# KiCad board data-center-rdimm-ddr5-tester.kicad_pcb (continued)
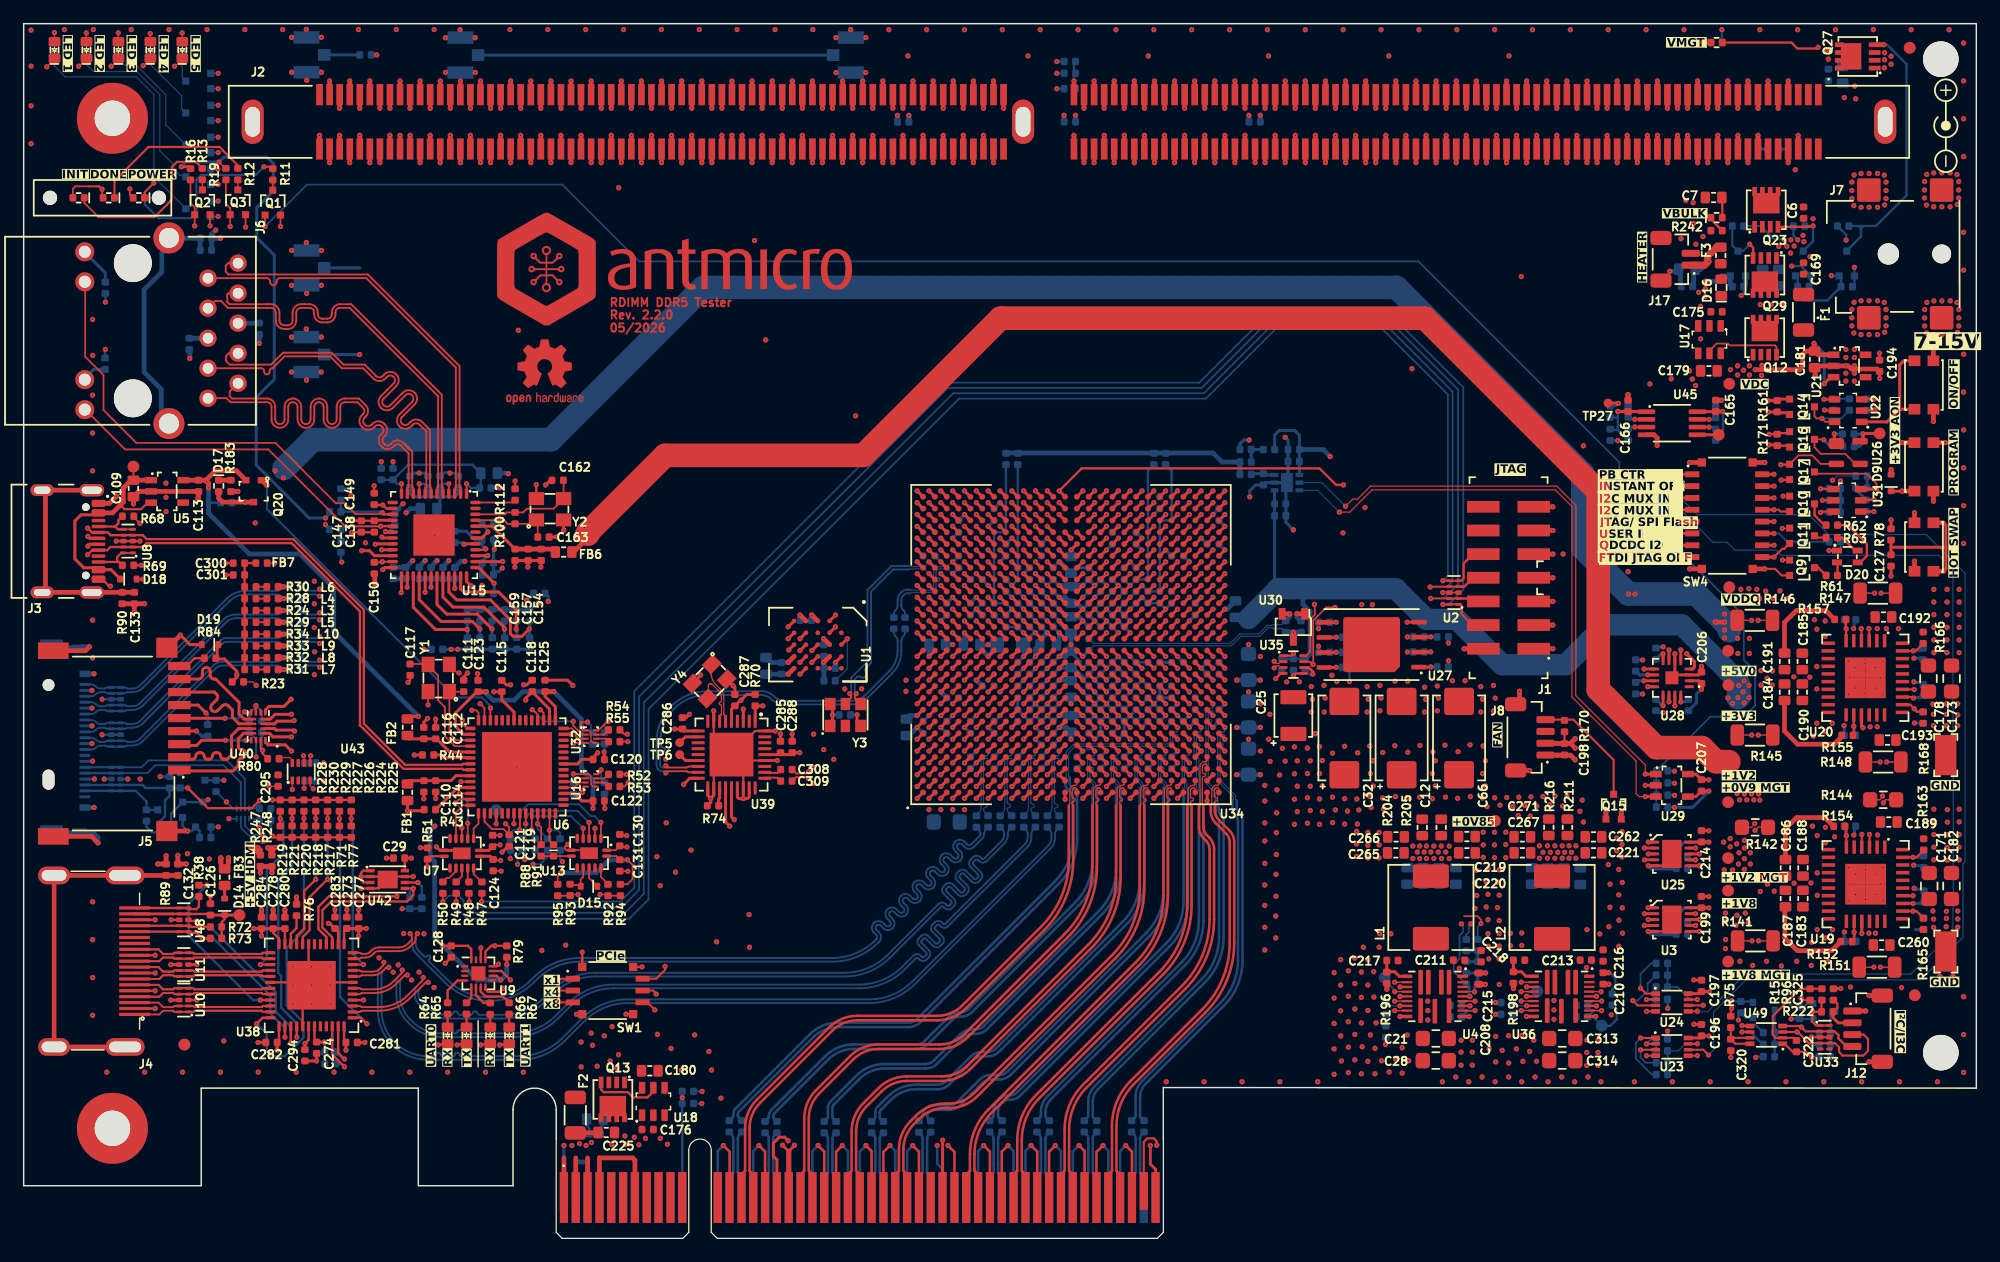
[diagram p0: board, top side]
## Routing (per net, layer and track width the routed paths; a pad name or vN(x,y) marks a point on that pad's centre or on a via; arc(x,y) is an arc through that point) (continued)
  Top w0.38: J2.108 v1(55.6,97.85) ; J2.153 v1(144.85,93.25) ; J2.199 v1(105.75,93.25) ; J2.50 v1(110,97.85) ; J2.43 v1(115.95,97.85) ; J2.284 v1(28.4,93.25) ; J2.10 v1(144,97.85) ; J2.6 v1(147.4,97.85) ; J2.106 v1(57.3,97.85) ; J2.164 v1(135.5,93.25) ; J2.26 v1(130.4,97.85) ; J2.277 v1(34.35,93.25) ; J2.186 v1(116.8,93.25) ; J2.77 v1(81.95,97.85) ; J2.136 v1(31.8,97.85) ; J2.188 v1(115.1,93.25) ; J2.28 v1(128.7,97.85) ; 63.25,96.7 v1(63.25,97.85) ; J2.266 v1(43.7,93.25) ; J2.202 v1(103.2,93.25) ; J2.214 v1(93,93.25) ; 122.75,96.7 v1(122.75,97.85) ; J2.195 v1(109.15,93.25) ; J2.237 v1(68.35,93.25) ; J2.235 v1(70.05,93.25) ; J2.230 v1(74.3,93.25) ; J2.151 v1(146.55,93.25) ; J2.162 v1(137.2,93.25) ; J2.69 v1(93.85,97.85) ; J2.226 v1(77.7,93.25) ; J2.67 v1(95.55,97.85) ; J2.92 v1(69.2,97.85) ; J2.95 v1(66.65,97.85) ; J2.63 v1(98.95,97.85) ; J2.197 v1(107.45,93.25) ; 131.25,92.1 v1(131.25,93.25) ; J2.206 v1(99.8,93.25) ; J2.173 v1(127.85,93.25) ; J2.85 v1(75.15,97.85) ; J2.228 v1(76,93.25) ; J2.166 v1(133.8,93.25) ; J2.141 v1(27.55,97.85) ; J2.270 v1(40.3,93.25) ; 71.75,92.1 v1(71.75,93.25) ; J2.143 v1(25.85,97.85) ; J2.248 v1(59,93.25) ; J2.39 v1(119.35,97.85) ; J2.112 v1(52.2,97.85) ; 97.25,96.7 v1(97.25,97.85) ; 126.15,92.1 v1(126.15,93.25) ; J2.103 v1(59.85,97.85) ; J2.8 v1(145.7,97.85) ; J2.253 v1(54.75,93.25) ; J2.110 v1(53.9,97.85) ; 139.75,96.7 v1(139.75,95.55) ; 41.15,96.7 v1(41.15,97.85) ; J2.208 v1(98.1,93.25) ; J2.182 v1(120.2,93.25) ; J2.73 v1(90.45,97.85) ; J2.216 v1(91.3,93.25) ; J2.130 v1(36.9,97.85) ; J2.244 v1(62.4,93.25) ; J2.257 v1(51.35,93.25) ; J2.132 v1(35.2,97.85) ; J2.273 v1(37.75,93.25) ; J2.160 v1(138.9,90.95) ; J2.171 v1(129.55,93.25) ; J2.52 v1(108.3,97.85) ; J2.128 v1(38.6,97.85) ; J2.139 v1(29.25,97.85) ; J2.30 v1(127,97.85) ; J2.46 v1(113.4,97.85) ; J2.184 v1(118.5,93.25) ; 134.65,96.7 v1(134.65,97.85) ; J2.219 v1(88.75,93.25) ; J2.32 v1(125.3,97.85) ; 100.65,96.7 v1(100.65,97.85) ; J2.134 v1(33.5,97.85) ; J2.81 v1(78.55,97.85) ; 143.15,92.1 v1(143.15,93.25) ; J2.286 v1(26.7,93.25) ; J2.288 v1(25,93.25) ; J2.224 v1(79.4,93.25) ; J2.158 v1(140.6,93.25) ; J2.259 v1(49.65,93.25) ; J2.177 v1(124.45,93.25) ; J2.19 v1(136.35,97.85) ; J2.246 v1(60.7,93.25) ; J2.262 v1(47.1,93.25) ; J2.57 v1(104.05,97.85) ; J2.54 v1(106.6,97.85) ; J2.222 v1(81.1,93.25) ; J2.17 v1(138.05,97.85) ; J2.123 v1(42.85,97.85) ; J2.251 v1(56.45,93.25) ; J2.281 v1(30.95,93.25) ; J2.88 v1(72.6,97.85) ; 92.15,96.7 v1(92.15,97.85) ; J2.268 v1(42,93.25) ; J2.264 v1(45.4,93.25) ; J2.97 v1(64.95,97.85) ; J2.193 v1(110.85,93.25) ; J2.59 v1(102.35,97.85) ; J2.279 v1(32.65,93.25) ; J2.121 v1(44.55,97.85) ; J2.212 v1(94.7,93.25) ; 121.05,96.7 v1(121.05,97.85) ; J2.83 v1(76.85,97.85) ; J2.114 v1(50.5,97.85) ; J2.242 v1(64.1,93.25) ; J2.204 v1(101.5,93.25) ; J2.275 v1(36.05,93.25) ; J2.117 v1(47.95,97.85) ; J2.90 v1(70.9,97.85) ; J2.210 v1(96.4,93.25) ; J2.240 v1(65.8,93.25) ; J2.180 v1(121.9,93.25) ; J2.48 v1(111.7,97.85) ; J2.191 v1(112.55,93.25) ; J2.101 v1(61.55,97.85) ; J2.24 v1(132.1,97.85) ; J2.255 v1(53.05,93.25) ; J2.41 v1(117.65,97.85) ; J2.119 v1(46.25,97.85) ; J2.13 v1(141.45,97.85) ; J2.79 v1(80.25,97.85)
  Top w0.4: v1(10.21,53.65) 8.32,53.65 ; v1(161.38,62.32) SW2.3 ; 12.11,49.94 12.19,49.94 v1(13.25,51) ; 128.53,40.86 129.54,40.86 129.55,40.85 ; v1(127.25,39.55) 126.26,39.55 126.25,39.56 126,39.56 ; v1(159.77,57.25) SW3.1 ; v1(129.22,59.85) J1.11 ; 157.05,20.52 155.94,20.52 v1(155.93,20.53) ; v1(13.74,31.65) 13.03,31.65 v1(13.03,32.38) ; J12.MP 155.94,14.92 v1(155.93,14.93) ; R76.1 v1(23.06,28.87) ; SW5.2 161.37,69.08 v1(161.37,69.07) ; v1(5.55,50.01) 5.22,49.69 2.51,49.69 ; v1(129.22,51.85) J1.3 ; J12.1 155.64,19.22 v1(155.65,19.22) ; U1.E5 v1(64.6,47.7) ; v1(129.22,57.85) J1.9 ; v1(143.46,70.86) C165.2 ; v1(12.04,32.35) 12.04,31.65 v1(11.33,31.65) ; v1(9.27,62.1) C109.1 9.72,63.15 U5.2 14.76,63.15 14.77,63.13 14.77,62.6 v1(14.72,62.55) ; C206.2 141.78,47.87 v1(141.78,48.35) ; v1(129.22,61.85) J1.13 ; v1(13.85,34.44) 12.11,34.44 ; v1(159.77,61.35) 159.77,60.5 ; SW5.1 161.37,75.22 v1(161.37,75.22) ; D9.2 v1(157.8,65) ; U1.C1 v1(66.6,52.7) ; 122.75,21.48 123.49,21.48 v1(123.51,21.46) ; U30.3 107.29,51.24 v1(107.3,51.25) ; 135,35.45 v1(135,36) ; v1(129.22,53.85) J1.5 ; 29.62,56.19 29.67,56.14 v1(29.67,55.36) ; v1(129.22,49.85) J1.1 ; v1(7.85,62.75) 7.23,62.14 6.66,62.14 ; 126,45.16 126.4,45.56 v1(126.4,46.26) ; J10.B7 51.65,6.6 51.45,6.8 48.65,6.8 J10.A4 ; SW2.4 v1(162.4,67.28) ; v1(129.22,55.85) J1.7 ; v1(140.78,65.6) 140.78,65.6 SW4.17 ; 152.94,73.76 151.49,73.76 151.38,73.65 v1(151.38,72.93) ; v1(20.1,27.78) C284.1 ; SW4.17 v1(147.12,65.6) ; v1(9.35,52.98) 9.35,53.65 ; R183.2 18.09,63.14 ; 130.07,40.85 129.55,40.85 ; 129.55,40.85 130.7,40.85 v1(131.1,40.45) ; 2.61,33.99 5.72,33.99 v1(6.28,33.44) ; v1(21.09,27.78) C278.2 ; U45.4 137.77,67.94 138.03,67.68 v1(138.03,67.05) ; v1(22.08,27.78) C280.2 ; SW4.17 v1(140.78,56.6) ; v1(147.12,56.6) 147.12,56.6 SW4.17 ; U21.2 154.19,73.76 154.45,73.5 156.62,73.5 156.82,73.29 ; U1.B3 v1(67.6,50.7) ; C210.1 133.94,21.49 v1(133.95,21.48) ; v1(135.57,71.34) C166.2 v1(135.57,71.34)
  Top w0.44: J10.A18 64.65,7.35
  In2.Cu w0.1: v1(121.49,26.59) 121.8,26.27 121.8,25.41 121.62,25.22 110.38,25.22 105.7,20.55 92.5,20.55 87.1,25.95 87.1,44.48 86.78,44.8 84.37,44.8 84.1,45.07 84.1,49.33 84.82,50.05 85.55,50.05 86.1,50.6 86.1,51.07 86.22,51.2 v1(86.5,51.2)
  Bottom w0.1: 5.17,46.33 v1(5.78,46.33) ; J11.10 5.75,41.83 ; 5.17,44.83 v1(5.78,44.83) ; 5.17,43.33 v1(5.78,43.33) ; C296.1 v1(25.35,38.65) ; C297.1 v1(25.35,40.2)
  Bottom w0.114: TP4.1 106.34,51.55 C205.1
  Bottom w0.15: v1(121.49,26.59) 121.63,26.44 TP23.2 ; C238.1 49.08,36.37 v1(49.11,36.35) ; v1(49.05,41.12) 49.08,41.16 49.08,41.78 C237.1 ; 15.7,91.8 v1(16.44,91.8) ; 15.7,94.5 v1(16.44,94.5) ; C235.1 46.6,37.7 v1(47.21,37.7) ; U44.4 v1(17.34,35.48) ; 15.7,89.1 v1(16.44,89.1) ; 15.7,97.2 v1(16.44,97.2) ; 15.7,86.4 v1(16.44,86.4)
  Bottom w0.177: v1(57.32,12.43) 56.61,12.43 ; 112.4,50.82 112.47,50.82 113.05,50.25 113.05,49 112.39,48.34 112.39,48.19 112.03,47.82 v1(112.03,47.07)
  Bottom w0.182: C324.1 151.16,15.36 v1(151.09,15.3) ; C298.1 20.12,44.55 v1(19.62,45.05) 19.62,44.95 19.08,44.4 C299.1 ; R235.1 v1(137.74,59.61) ; v1(156.42,70.04) 156.39,70 ; C318.1 146.43,15.36 v1(146.37,15.3) ; v1(156.34,62.45) 156.32,62.44 155.69,62.44
  Bottom w0.198: U34.V20 v1(93.5,57.2) ; R132.1 v1(80.5,53.2) ; R26.1 v1(87.3,98.5) ; v1(152.75,81.4) 152.78,81.37 Q26.2 153.57,81.2 R245.1 153.57,80.47 152.4,79.3 150.37,79.3 149.89,79.78 149.9,79.78 R240.1 149.9,81.2 Q25.2 ; v1(96.5,53.2) R129.1 95,53.7 C333.2 ; C336.2 83.98,51.68 C13.1 ; 64.01,47.7 64.03,47.72 ; v1(146.55,93.25) 146.55,92.45 146.93,92.07 R128.1
  Bottom w0.2: v1(26.88,57.18) 26.81,57.25 26.81,58 ; 35.18,64.44 35.26,64.44 35.57,64.75 35.97,64.75 v1(36.02,64.7) 36.46,64.7 36.72,64.44 ; 26.81,63.38 27.4,63.38 27.66,63.12 v1(27.66,62.82) ; v1(40.23,63.46) 40.2,63.43 39.49,63.43
  Bottom w0.201: 8.19,38.83 v1(8.8,38.83) ; 14.04,74.4 v1(14.03,74.39) ; 19.91,75.68 v1(19.9,75.67) ; Q21.2 12.67,39.38 R85.1 v1(11.53,39.04) ; v1(6.63,42.58) 8.19,42.58 ; v1(6.63,45.58) 8.19,45.58 ; v1(6.81,38.83) 7.42,38.83 ; C224.1 48.97,9.62 48.72,9.38 48.72,8.86 48.76,8.82 ; J11.4 v1(5.98,38.83) ; 143.53,102.19 143.5,102.16 143.5,101.13 R246.1 ; Q18.2 13.43,34.85 v1(13.85,34.44) 14.2,34.44 14.52,34.75 Q19.2 14.86,34.45 R83.1 ; R22.2 v1(94.5,47.2)
  Bottom w0.22: v1(73.2,7.85) 73.65,7.4 J10.A27 ; v1(83.18,7.85) 83.65,7.38 J10.A37 ; J10.A42 88.65,7.33 v1(89.18,7.85) ; v1(93.12,7.85) 92.65,7.38 J10.A46 ; v1(59.12,7.85) 58.65,7.38 J10.A12 ; v1(77.2,7.85) 77.2,6.3 77.65,5.85 J10.A31 ; J10.A23 69.65,7.38 v1(69.18,7.85) ; v1(71.18,7.85) 70.65,7.33 J10.A24 ; J10.A49 95.65,5.85 95.2,6.3 v1(95.2,7.85) ; J10.A38 84.65,7.38 v1(85.12,7.85) ; v1(81.12,7.85) 80.65,7.38 J10.A34 ; J10.A20 66.65,7.38 v1(67.12,7.85) ; J10.A41 87.65,7.38 v1(87.18,7.85) ; J10.A15 61.65,7.38 v1(62.12,7.85) ; J10.A28 74.65,7.38 v1(75.12,7.85) ; J10.A45 91.65,7.4 v1(91.2,7.85) ; v1(65.12,7.88) 64.65,7.4 ; 64.65,7.35 v1(64.12,7.88)
  Bottom w0.256: v1(137.28,31.5) 137.55,31.22 139.59,31.22 R215.1 ; C35.1 v1(85.5,54.2) U34.L17 v1(86.5,53.2) U34.M16 v1(87.5,52.2) ; v1(103.55,67.5) 103.1,67.5 102.77,67.17 R254.1 ; U34.L15 v1(86.5,51.2) ; C26.1 v1(84.5,48.2) U34.K12 v1(85.5,49.2) ; v1(93.5,57.2) C334.2 ; v1(153,68.03) 153.02,68 153.69,68 ; v1(40.44,56.67) 40.14,56.37 39.71,56.37 39.71,56.1 39.71,58.19 v1(39.77,58.25) 39.71,58.32 39.71,59.05 ; C310.1 v1(80.5,44.2) ; C335.2 v1(83.5,54.2) U34.J17 v1(84.5,53.2) U34.K16 ; 20.9,36.34 20.9,35.36 C82.2 20.89,34.15 v1(21.04,34.01) ; v1(85.5,42.2) C101.1 ; v1(159.77,43.58) 160.47,43.58 160.51,43.54 ; C312.1 v1(76.5,44.2) ; v1(93.5,44.2) C99.1 v1(94.5,44.2) U34.W8 v1(93.5,44.2) ; v1(93.5,44.2) C55.1 ; C92.1 v1(93.5,46.2) R22.2 ; 154.8,63.45 154.8,63.32 155.69,62.44 ; C64.1 v1(90.5,52.2) C86.1 v1(89.5,53.2) 89.5,53.2 C56.1 90,53.7 v1(90.5,54.2) C65.1 ; R133.2 v1(100.5,61.2) ; v1(153.85,25.9) 153.84,25.89 153.84,25.08 ; v1(94.5,59.2) R134.2 ; C102.2 84,44.7 C53.1 ; C102.2 84,44.7 v1(84.5,44.2) C52.1 v1(85.5,44.2) C51.1 v1(86.5,44.2) C50.1 v1(87.5,44.2) ; C102.2 83.5,44.2 v1(83.5,44.2) ; v1(15.4,44.42) 15.55,44.27 15.55,43.43 ; C248.1 v1(91.5,44.2) C79.1 v1(92.5,44.2) C55.1 ; C248.1 C96.1 v1(90.5,42.2) ; C248.1 v1(90.5,44.2) C61.1 v1(89.5,44.2) ; v1(89.5,46.2) C90.1 ; 160.57,29.38 160.43,29.53 159.83,29.53 v1(159.75,29.6) ; C330.1 106.84,63.99 U12.7 ; C330.1 106.84,64.47 106.77,64.4 106.6,64.4 ; C330.1 C331.1 106.84,67.48 v1(106.6,67.73) ; v1(92.5,49.2) U34.V12 v1(93.5,48.2) U34.W11 v1(94.5,47.2) C76.1 ; v1(92.5,49.2) 92.45,49.25 ; v1(92.5,49.2) C75.1 v1(91.5,48.2) C246.1 v1(90.5,47.2) U34.T10 v1(91.5,46.2) C48.1 v1(92.5,47.2) ; 31.36,61.23 31.77,61.64 31.77,61.83 v1(32.05,62.11) ; v1(42.5,53.96) 43.07,54.53 ; C167.1 89,39.7 v1(89.5,40.2) ; C311.1 v1(78.5,44.2) ; 156.39,70 155.72,70 ; v1(34.72,59.45) 35.05,59.45 35.38,59.79 ; 160.5,48.92 160.36,49.05 v1(159.72,49.05) ; 31.21,65.1 31.21,65.66 v1(31.22,65.66) ; v1(87.5,54.2) C40.1 ; C49.1 v1(91.5,58.2) ; U34.E3 v1(80.5,40.2) ; U34.AA26 v1(96.5,63.2) ; U34.AB3 v1(97.5,40.2) ; v1(97.5,44.2) C168.1 v1(98.5,44.2) ; C13.1 v1(84.5,51.2) ; U34.K19 v1(84.5,56.2) R131.1 ; v1(92.5,42.2) 92.5,42.2 C97.2 93,43.7 C55.1 ; v1(84.5,40.2) U34.J3 ; U34.L21 v1(85.5,58.2) ; v1(95.5,44.2) 96,43.7 C98.1 96,43.7 v1(96.5,44.2) ; 160.55,31.37 160.41,31.5 159.75,31.5 v1(159.7,31.55) ; v1(82.5,57.2) C78.1 ; v1(154.62,51.55) 154.67,51.6 154.67,52.19 154.78,52.3 ; v1(101.5,44.2) U34.AF8 v1(101.5,45.2) ; v1(101.5,47.2) U34.AF11 C15.1 ; v1(70.42,44.27) 70.4,44.25 C164.1 ; 154.81,34.85 154.7,34.74 154.7,34.15 154.65,34.1 ; C30.1 v1(92.5,55.2) C84.1 v1(92.5,54.2) U34.U17 v1(91.5,53.2) 92,52.7 C243.1 92,52.7 v1(92.5,52.2) C59.1 v1(93.5,51.2) ; U12.7 106.66,63.81 C328.1 C329.1 106.66,60.54 v1(107.29,59.91) ; U12.7 U12.5 104.95,63.9 C332.1 104.1,63.7 103.6,63.2 103.6,62.69 v1(103.6,62.69) ; v1(79.5,56.2) U34.E19 ; U34.G3 v1(82.5,40.2) ; v1(93.5,53.2) U34.W17 v1(94.5,54.2) 95,53.7 ; 159.84,26.1 160.53,26.1 R207.1 ; v1(90.5,56.2) C68.1 88.95,56.7 C44.2 ; v1(153.82,43.35) 153.84,43.34 153.84,42.53 ; 32.62,64.45 32.87,64.7 v1(33.42,64.7) 33.91,64.7 34.16,64.45 ; 35.41,49.8 v1(36.12,49.8) v1(36.68,49.8) 36.69,49.81 42.75,49.81 ; 85,52.7 v1(85.5,52.2) C39.1 ; C100.1 v1(87.5,42.2) ; C70.1 v1(82.5,44.2) ; U34.V3 v1(93.5,40.2) ; U34.L3 v1(86.5,40.2) ; C24.1 v1(81.5,60.2) ; C47.1 86,45.7 v1(86.5,46.2) U34.M10 v1(87.5,47.2) ; C20.1 v1(96.5,53.2) ; v1(77.5,52.2) C91.1 ; C103.2 91.5,40.2 v1(91.5,40.2) ; C46.1 v1(85.5,47.2) U34.L11 v1(86.5,48.2) U34.M12 v1(87.5,49.2) ; v1(101.5,58.2) C37.1 ; v1(159.72,47.05) 159.77,47 160.36,47 160.52,46.83 ; v1(78.5,59.2) C71.1 ; C77.1 v1(87.5,57.2) ; C60.1 v1(98.5,57.2) ; U34.Y3 v1(95.5,40.2) ; C62.2 88.5,49.55 89.3,48.75 89.3,48.4 v1(89.5,48.2) C88.1 ; v1(75.5,58.2) U34.A21 ; v1(137.28,25.95) 137.55,25.67 139.59,25.67 R208.1 ; R182.2 v1(80.5,53.2) ; J13.1 v1(28.39,74.72) ; 30.21,65.1 30.21,65.67 v1(30.22,65.67) ; v1(97.5,49.2) R194.2
  Bottom w0.4: 14.04,75.14 14.04,74.4 ; v1(25.16,83.53) 23.9,83.53 ; 23.9,83.53 23.91,83.53 ; 23.9,83.53 v1(22.65,83.53) ; 23.9,83.53 J9.SH2 23.89,83.52 23.89,84.19 v1(23.88,84.2) ; v1(87.5,47.2) 88.45,47.2 C31.2 88.55,47.15 v1(89.5,46.2) ; C9.1 88.88,94.94 v1(88.88,94.95) ; v1(33.92,57.3) 33.43,56.81 33.43,56.73 ; 23.89,76.2 23.9,76.2 23.89,76.2 ; 23.89,76.2 J13.SH2 ; 23.89,76.2 v1(25.15,76.2) ; 23.89,76.2 J13.SH2 ; 23.89,76.2 v1(22.64,76.2) ; C94.2 101.7,53.2 v1(101.5,53.2) ; C44.2 87.55,57.2 v1(87.5,57.2) ; 67.6,50.18 v1(67.6,50.7) ; 69.9,101.52 69.91,101.52 ; 69.9,101.52 v1(71.16,101.52) ; 69.9,101.52 69.9,101.52 ; 69.9,101.52 v1(68.65,101.52) ; v1(104.5,94.95) 104.5,94.94 C8.1 ; v1(35.92,57.3) 35.43,56.81 35.43,56.73 ; 23.89,80.57 J9.SH1 ; v1(102.5,43.2) v1(104.5,43.2) ; v1(89.5,53.2) 89,53.7 C11.2 88,54.2 v1(87.5,54.2) ; 23.91,101.55 23.9,101.54 23.9,102.21 v1(23.89,102.22) ; v1(102.5,39.2) v1(104.5,39.2) ; 69.91,101.53 J15.SH1 69.9,102.19 v1(69.89,102.2) ; J9.SH1 23.9,79.9 v1(23.91,79.89) ; J9.SH1 23.9,80.58 ; v1(75.5,44.2) 74.9,44.2 C14.2 ; v1(23.9,72.56) 23.89,72.57 J13.SH1 23.89,73.24 ; v1(5.55,50.01) 4.88,50.01 J11.SH 4.63,49.93 J11.SH ; 23.89,73.24 v1(22.63,73.24) ; 23.89,73.24 23.88,73.24 ; 23.89,73.24 v1(25.14,73.24) ; C321.1 140,80.55 140,81.78 C323.1 139.68,81.76 v1(139.1,81.76) ; 15.9,84.55 15.9,83.57 15.88,83.55 ; 15.9,84.55 v1(16.62,84.55) ; 15.9,84.55 15.9,84.92 v1(16.22,85.25) ; v1(66.6,52.7) 66.6,52.28 66.58,52.26 ; v1(6.28,33.44) 6.28,33.91 5.87,34.31 J11.SH 2.43,34.31 J11.SH ; v1(23.88,76.88) 23.89,76.87 J13.SH2 ; C1.2 64.01,47.7 ; 34.43,56.73 34.43,56.81 v1(34.92,57.3) ; v1(23.92,97.91) 23.91,97.92 23.91,98.6 23.91,98.59 ; 64.03,47.72 64.05,47.7 v1(64.6,47.7) ; v1(87.5,52.2) 87.5,52.15 C239.2 C62.2 88.05,49.2 v1(87.5,49.2) ; 64.65,3.44 64.65,7.35 ; C16.1 v1(80.5,47.2) ; 23.9,98.59 23.91,98.59 ; 23.9,98.59 v1(22.65,98.59) ; 23.9,98.59 23.91,98.59 ; 23.9,98.59 J14.SH1 ; 23.9,98.59 v1(25.16,98.59) ; 23.9,98.59 J14.SH1 ; R250.1 144.21,80.64 Q28.2 143.48,81.37 143.03,80.92 v1(142.12,80.92) ; v1(22.65,101.54) 23.9,101.54 ; 23.9,101.54 23.91,101.54 ; 23.9,101.54 J14.SH2 ; 23.9,101.54 v1(25.16,101.54) ; v1(25.16,80.58) 23.9,80.58 ; 23.9,80.58 v1(22.65,80.58) ; 23.9,80.58 23.91,80.58 ; 29.36,100.06 v1(29.83,100.06) ; v1(5.95,47.73) 5.95,47.73 J11.SH ; U34.AD17 v1(99.5,54.2) ; v1(32.87,57.3) 32.3,56.73 31.23,56.73 ; C73.2 v1(76.5,49.2) ; v1(68.64,98.56) v1(71.15,98.56) ; 36.43,56.73 36.95,57.25 v1(37.27,57.25) ; 36.89,101.51 36.9,101.51 ; 36.89,101.51 36.89,101.51 ; 36.89,101.51 v1(35.64,101.51) ; 36.89,101.51 v1(38.15,101.51) ; C10.1 74.8,94.94 v1(74.79,94.95) ; C17.1 v1(77.5,46.2) ; v1(87.5,44.2) v1(89.5,44.2) ; v1(35.65,98.57) v1(38.16,98.57) ; J14.SH1 23.9,98.58 ; v1(5.95,36.43) J11.SH ; C135.1 19.91,75.68 ; J10.A4 48.65,6.4 ; v1(85.5,49.2) 85.5,49.85 85.82,50.17 85.82,50.52 v1(86.5,51.2) ; v1(104.5,47.2) v1(102.5,47.2) ; C205.1 C204.1 ; v1(36.88,102.19) 36.89,102.18 36.89,101.51 J16.SH2 ; U34.F16 v1(80.5,53.2) ; v1(107.29,47.56) C223.1 ; 80.8,49.91 C22.2 C38.1 82.25,49.97 81.5,49.22 v1(81.5,49.2) 81.5,49.21 80.8,49.91
  vias: v1(0.62,102.15) v1(0.63,99.11) v1(0.62,95.75) v1(0.62,92.55) v1(3.45,102.2) v1(5.82,77.69) v1(5.83,74.65) v1(5.82,71.29) v1(5.82,68.09) v1(5.82,64.89) v1(5.82,52.27) v1(5.82,49.07) v1(5.78,41.83) v1(5.82,28.45) v1(5.82,25.25) v1(5.82,22.05) v1(5.82,18.85) v1(5.89,102.2) v1(7.02,14.05) v1(9.09,102.2) v1(9.85,38.82) v1(10.22,14.05) v1(11.11,26.93) v1(11.11,23.93) v1(11.11,20.93) v1(11.11,19.43) v1(12.02,63.85) v1(12.02,62.65) v1(12.02,61.45) v1(12.29,102.2) v1(13.42,14.05) v1(15.49,102.2) v1(16.62,14.05) v1(18.69,102.2) v1(19.82,14.05) v1(21.89,102.2) v1(22.75,22.97) v1(22.75,19.82) v1(23.02,14.05) v1(24.33,21.4) v1(24.33,19.82) v1(24.56,55.56) v1(24.56,53.65) v1(24.56,51.65) v1(24.59,49.59) v1(24.56,47.66) v1(25.9,22.97) v1(25.9,19.82) v1(26.22,14.05) v1(28.29,102.2) v1(28.88,58.81) v1(29.42,14.05) v1(30.03,23.72) v1(31.23,22.5) v1(31.49,102.2) v1(31.65,23.12) v1(32.11,25.77) v1(32.62,14.05) v1(32.78,21.84) v1(33.41,22.5) v1(33.82,25.75) v1(34.69,102.2) v1(34.68,21.2) v1(35.82,14.05) v1(39.02,14.05) v1(41.09,102.2) v1(41.68,39.86) v1(41.8,76.77) v1(42.22,14.05) v1(44.29,102.2) v1(46.24,42.62) v1(46.72,18.95) v1(47.49,102.2) v1(49.7,7.95) v1(50.28,88.82) v1(50.69,102.2) v1(50.8,8.65) v1(50.85,7.95) v1(51.6,8.55) v1(51.98,7.91) v1(52.54,8.45) v1(53.51,32.27) v1(53.55,17.25) v1(53.79,29.82) v1(53.8,8.45) v1(53.89,102.2) v1(54.26,40.51) v1(54.3,35.13) v1(54.4,7.95) v1(54.7,16.05) v1(55.08,30.96) v1(55.58,14.23) v1(56.39,32.83) v1(56.7,17.2) v1(57.09,102.2) v1(57.9,15.8) v1(58.12,14.23) v1(58.55,25.07) v1(58.92,11.85) v1(60.29,102.2) v1(61.3,27.37) v1(61.33,24.61) v1(61.76,84.36) v1(62.7,75.96) v1(63.49,102.2) v1(66.69,102.2) v1(66.73,39.83) v1(66.72,38.46) v1(69.38,46.45) v1(70.3,69.54) v1(70.81,46.46) v1(73.1,102.19) v1(74.71,99.97) v1(76.3,102.19) v1(78.5,36.25) v1(79.5,102.19) v1(79.5,36.25) v1(81.5,50.2) v1(82.7,102.19) v1(84.87,99.97) v1(85.9,102.19) v1(88,37.12) v1(88.5,50.2) v1(89.1,102.19) v1(92.3,102.19) v1(95.03,99.97) v1(95.5,102.19) v1(96.55,13.24) v1(98.7,102.19) v1(99.75,13.24) v1(101.9,102.19) v1(102.95,13.24) v1(104.88,38.3) v1(104.88,36.97) v1(104.88,35.12) v1(104.88,33.6) v1(104.88,31.7) v1(104.88,29.88) v1(104.88,28.15) v1(104.88,26.3) v1(104.88,24.38) v1(105.1,102.19) v1(105.19,99.97) v1(106.15,13.24) v1(106.72,47.05) v1(107.8,47.05) v1(108.3,102.19) v1(108.8,46.65) v1(108.8,44.5) v1(108.9,45.57) v1(109.35,13.24) v1(109.88,46.75) v1(109.9,44.5) v1(109.97,45.67) v1(110.55,47.6) v1(110.74,22.46) v1(110.74,20.31) v1(110.74,18.16) v1(110.74,16.01) v1(110.74,13.86) v1(110.95,47.07) v1(111.28,23.56) v1(111.28,21.41) v1(111.28,19.24) v1(111.28,17.11) v1(111.35,15) v1(111.5,102.19) v1(111.94,22.61) v1(111.94,20.46) v1(111.94,18.31) v1(111.94,16.16) v1(111.94,14.01) v1(112.49,23.69) v1(112.49,21.54) v1(112.49,19.39) v1(112.49,17.24) v1(112.49,15.09) v1(112.63,34.41) v1(112.63,33.34) v1(112.63,32.29) v1(113.03,22.51) v1(113.03,20.36) v1(113.03,18.21) v1(113.03,13.91) v1(113.1,16.2) v1(113.2,24.61) v1(113.53,46.65) v1(113.53,44.5) v1(113.62,45.57) v1(113.59,34.31) v1(113.59,33.24) v1(113.59,32.16) v1(113.59,23.56) v1(113.59,21.41) v1(113.59,19.26) v1(113.59,14.96) v1(113.8,17.2) v1(114.07,22.55) v1(114.1,20.4) v1(114.19,16.06) v1(114.19,13.91) v1(114.28,18.22) v1(114.53,34.31) v1(114.53,33.26) v1(114.53,32.16) v1(114.53,24.61) v1(114.6,46.75) v1(114.6,44.6) v1(114.58,25.75) v1(114.7,102.19) v1(114.7,45.67) v1(114.74,15.01) v1(115.35,99.97) v1(115.38,14.06) v1(115.53,25.75) v1(115.88,47.1) v1(115.94,15.14) v1(116.49,16.11) v1(116.49,13.96) v1(116.9,52.09) v1(116.95,47.1) v1(116.91,17.19) v1(117.03,15.01) v1(117.3,73.53) v1(117.9,102.19) v1(118.38,46.6) v1(118.38,44.5) v1(118.47,45.57) v1(118.65,20.06) v1(118.65,19.25) v1(118.65,18.45) v1(119.45,46.7) v1(119.45,44.6) v1(119.55,45.67) v1(120.72,47.15) v1(121.1,102.19) v1(121.31,22.82) v1(121.8,47.15) v1(122.63,30.04) v1(122.63,27.89) v1(122.78,31.11) v1(122.78,28.99) v1(123.12,46.65) v1(123.12,44.5) v1(123.28,45.57) v1(123.34,34.34) v1(123.34,33.26) v1(123.34,32.21) v1(123.59,30.16) v1(123.59,28.01) v1(123.74,31.24) v1(123.74,29.09) v1(123.74,26.94) v1(123.74,25.76) v1(123.78,24.69) v1(123.8,23.62) v1(123.84,16.02) v1(124.2,46.75) v1(124.2,44.6) v1(124.3,102.19) v1(124.35,45.67) v1(124.28,34.34) v1(124.28,33.26) v1(124.28,32.19) v1(124.38,17.07) v1(124.38,14.92) v1(124.53,30.11) v1(124.53,27.96) v1(124.69,31.16) v1(124.69,29.01) v1(124.69,26.86) v1(124.69,25.76) v1(124.69,24.71) v1(124.69,23.61) v1(124.69,21.46) v1(124.94,15.89) v1(125.24,34.34) v1(125.24,33.29) v1(125.24,32.19) v1(125.51,99.97) v1(125.47,17.13) v1(125.49,14.82) v1(125.63,25.79) v1(125.63,24.74) v1(126.14,16.02) v1(126.55,81.32) v1(126.59,25.81) v1(126.59,24.76) v1(126.6,17.15) v1(126.69,14.97) v1(127.25,15.8) v1(127.5,102.19) v1(127.6,16.75) v1(127.84,14.97) v1(129.31,20.11) v1(129.31,19.31) v1(129.31,18.51) v1(130.7,102.19) v1(132.1,26.1) v1(132.06,22.89) v1(133.19,25.74) v1(133.9,102.19) v1(133.9,31.6) v1(133.95,26.35) v1(134.03,27.99) v1(134.05,29.95) v1(134.15,18.9) v1(134.61,33.84) v1(134.61,32.76) v1(134.78,31.19) v1(134.78,29.04) v1(134.8,26.9) v1(134.78,24.69) v1(135.06,34.39) v1(135.06,33.31) v1(135.06,32.24) v1(135.09,30.09) v1(135.09,27.94) v1(135.1,25.8) v1(136.11,13.24) v1(137.1,102.19) v1(137.41,72.24) v1(139.22,72.68) v1(139.31,13.24) v1(140.05,84.52) v1(140.3,102.19) v1(140.45,87.75) v1(141,72.65) v1(141.07,87.56) v1(141.1,85.8) v1(141.3,84.05) v1(141.28,72.1) v1(141.54,79.98) v1(141.7,76.05) v1(141.9,84.7) v1(142.11,80.28) v1(142.09,79.63) v1(142.51,13.24) v1(143.5,102.19) v1(145.71,13.24) v1(146.7,102.19) v1(146.75,30.58) v1(146.75,29.33) v1(146.75,78.95) v1(146.8,48) v1(146.8,46.77) v1(147.32,47.35) v1(147.35,29.95) v1(147.65,78.95) v1(147.75,46.78) v1(147.77,47.98) v1(147.95,30.55) v1(147.92,29.35) v1(148.55,78.97) v1(148.91,13.24) v1(149.57,47.48) v1(149.6,30.03) v1(149.9,102.19) v1(150.95,83) v1(150.92,47.45) v1(151.02,30.05) v1(151.07,25.03) v1(151.2,86.2) v1(151.22,42.45) v1(151.15,34.85) v1(151.32,52.3) v1(151.52,51.5) v1(151.52,48.35) v1(151.52,46.45) v1(151.52,43.55) v1(151.55,34.05) v1(151.55,30.9) v1(151.55,29) v1(151.55,26.1) v1(152.11,13.24) v1(152.22,52.2) v1(152.22,50.9) v1(152.22,42.85) v1(152.25,25.4) v1(152.25,34.75) v1(152.25,33.45) v1(152.82,43.55) v1(152.85,26.1) v1(153.02,33.95) v1(153.1,102.19) v1(153.85,96.45) v1(153.97,75.15) v1(153.97,74.47) v1(153.97,73.77) v1(153.97,73.15) v1(153.97,72.47) v1(154.19,48.8) v1(154.19,46) v1(154.22,31.35) v1(154.22,28.55) v1(154.29,47.4) v1(154.32,29.95) v1(154.37,21.25) v1(154.48,89.3) v1(154.48,88.59) v1(154.48,87.91) v1(154.72,97.42) v1(154.67,89.9) v1(154.65,87.31) v1(154.7,75.15) v1(154.7,74.47) v1(154.7,73.77) v1(154.7,73.15) v1(154.7,72.47) v1(154.65,34.1) v1(154.8,96.35) v1(154.76,48.25) v1(154.76,46.53) v1(154.78,30.8) v1(154.78,29.08) v1(155.26,90.03) v1(155.26,87.17) v1(155.31,13.24) v1(155.59,48.6) v1(155.62,47.39) v1(155.59,46.1) v1(155.62,31.15) v1(155.65,29.94) v1(155.62,28.65) v1(155.94,90.03) v1(155.94,87.17) v1(155.92,25.8) v1(156.02,43.25) v1(156.3,102.19) v1(156.48,48.25) v1(156.48,46.53) v1(156.51,30.8) v1(156.51,29.08) v1(156.47,25.8) v1(156.65,90.03) v1(156.65,87.17) v1(156.62,51.55) v1(156.62,43.25) v1(156.65,34.1) v1(156.89,47.4) v1(156.92,29.95) v1(157.09,48.8) v1(157.09,46) v1(157.12,31.35) v1(157.12,28.55) v1(157.22,89.89) v1(157.25,87.37) v1(157.37,89.3) v1(157.37,88.59) v1(157.37,87.91) v1(158.42,51.55) v1(158.51,13.24) v1(158.67,21.2) v1(159.5,102.19) v1(160.62,89.35) v1(160.62,88.64) v1(160.62,87.96) v1(160.81,89.95) v1(160.79,87.36) v1(161.32,45.18) v1(161.32,27.68) v1(161.4,90.08) v1(161.4,87.22) v1(161.37,44.3) v1(161.37,43.35) v1(161.39,26.99) v1(161.39,26.29) v1(161.71,13.24) v1(161.92,22.15) v1(162.08,90.08) v1(162.08,87.22) v1(162.45,43.35) v1(162.45,26.35) v1(162.47,45.2) v1(162.47,44.3) v1(162.47,27.65) v1(162.47,27.05) v1(162.7,102.19) v1(162.79,90.08) v1(162.79,87.22) v1(163.02,22.15) v1(163.36,89.94) v1(163.39,87.42) v1(163.42,45.2) v1(163.42,44.25) v1(163.42,43.35) v1(163.42,27.68) v1(163.42,27) v1(163.42,26.3) v1(163.51,89.35) v1(163.51,88.64) v1(163.51,87.96) v1(163.92,101.06) v1(163.92,97.86) v1(163.92,94.66) v1(163.92,91.46) v1(163.92,85.06) v1(163.92,81.86) v1(163.92,74.75) v1(163.92,71.55) v1(163.92,68.35) v1(163.92,65.15) v1(163.92,61.95) v1(163.92,58.75) v1(163.92,20.43) v1(163.92,17.23) v1(163.92,14.03)
